# Altium PCB 10515.0461_全联供输出板_V1.1_20200827_1P.PcbDoc (part 4 of 4)
Units mm, origin at the board's own origin, x right, y up, seen from the top; angles counter-clockwise.
Board outline 141.98 x 134.8 mm, 2 copper layers (Top Layer, Bottom Layer); 162 components, 136 nets, 665 pads, 421 vias.
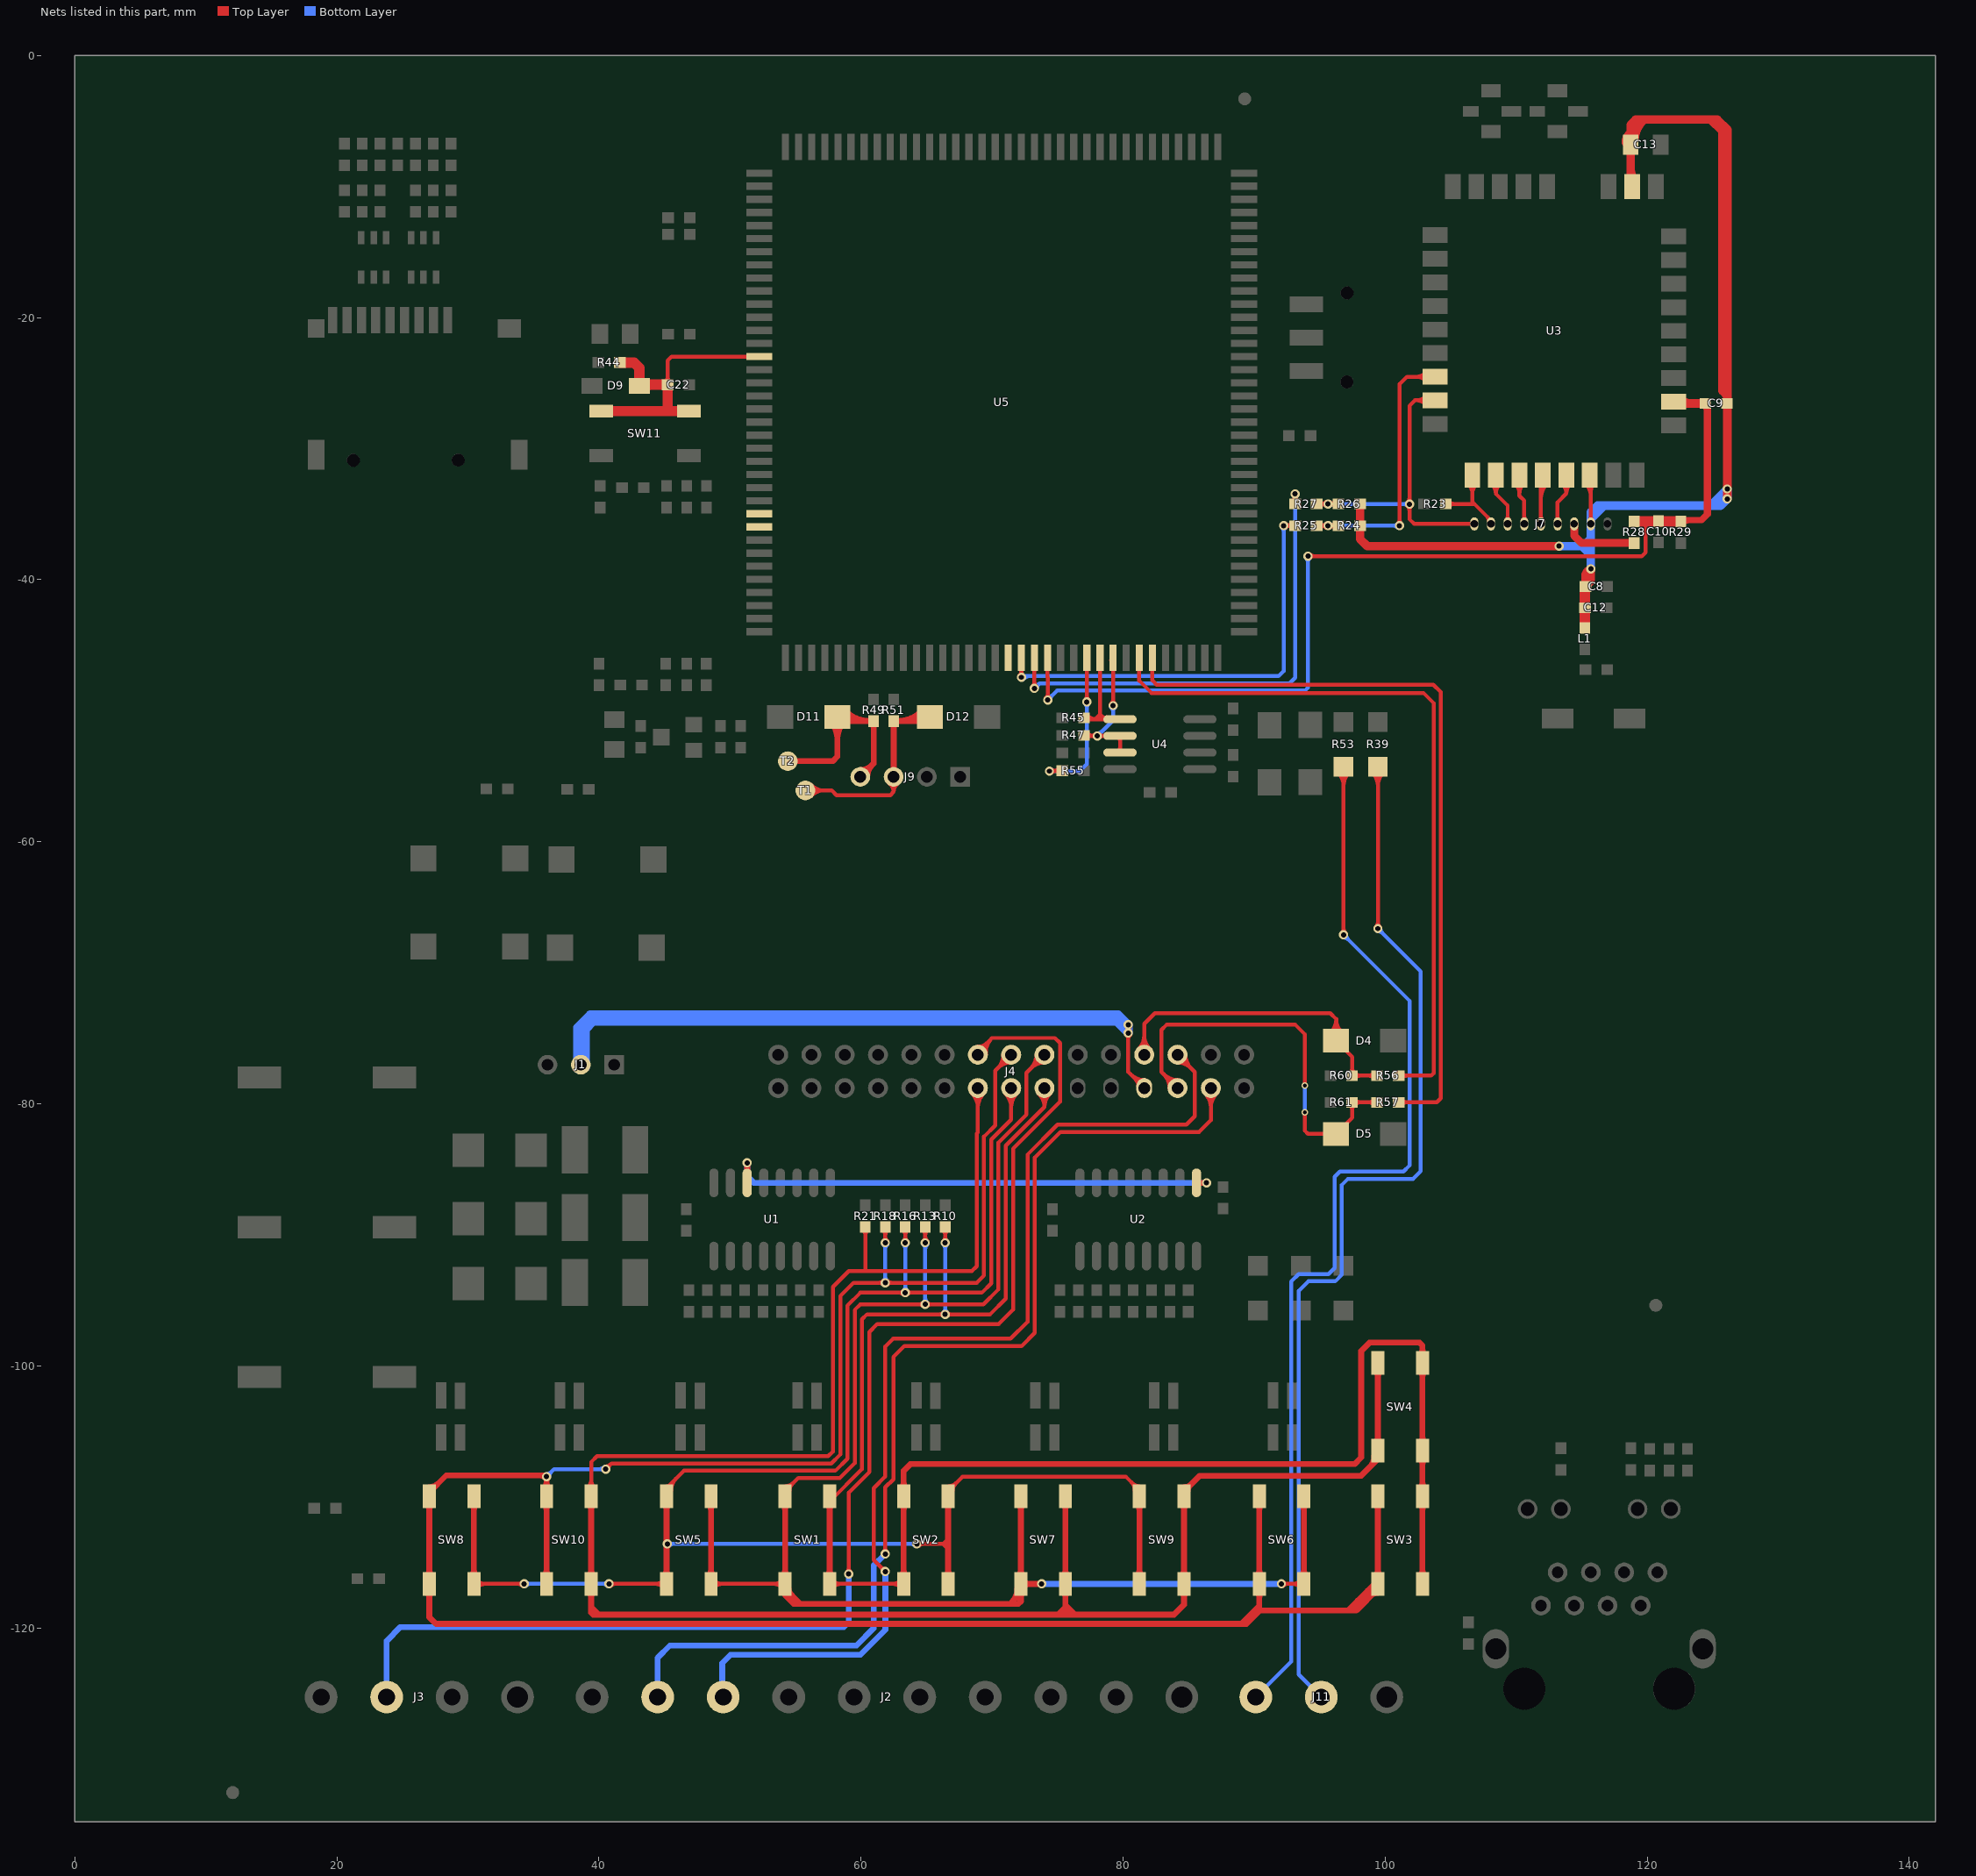
[diagram p4: the nets of this part, all layers, seen from the top]

## Via types
v1: diameter 0.7, hole 0.4, Top Layer to Bottom Layer, tented both sides, 417 vias
v2: diameter 0.5, hole 0.3, Top Layer to Bottom Layer, tented both sides, 4 vias

## Nets (pads, with @x,y where several pads share a name; then routed paths per layer and width w, separated by ;. In a path a pad name is that pad's centre, name@x,y a point inside that pad or via, vN(x,y) a via of type N, cw(c..) or ccw(c..) an arc to the next point about the centre after c; other vN are vias at no path point) (continued)
OUTPUT_VOULTAGE: J3.3 J4.14 | length 107.3
  Top Layer w0.3: v1@58.914,-115.736 ccw(c58.572,-115.394) 59.055,-115.394 ccw(c59.538,-115.394) v1@59.196,-115.736 ; v1(59.055,-115.877) 59.055,-109.675 60.625,-108.105 60.625,-97.416 61.222,-96.819 70.493,-96.819 71.596,-95.716 71.596,-83.418 75.184,-79.83 75.184,-75.364 74.795,-74.975 69.985,-74.975 ; J4.14@68.913,-76.253 68.913,-76.047 69.985,-74.975 ; J4.14@68.913,-75.641 ccw(c68.913,-74.661) 69.606,-75.354 ; J4.14@69.224,-76.231 cw(c70.239,-76.16) 69.52,-75.44 ; J4.14@69.523,-76.21 cw(c71.108,-76.099) 69.985,-74.975
  Bottom Layer w0.45: J3.3@23.789,-125.275 23.789,-120.991 24.845,-119.935 58.68,-119.935 59.055,-119.56 v1(59.055,-115.877)
"PROG EN": J7.8 R23.2 U3.18 | length 9.6
  Top Layer w0.3: R23.2@104.629,-34.216 106.807,-34.216 ; R23.2@104.848,-34.397 cw(c105.286,-34.835) 105.286,-34.216 cw(c105.286,-33.597) R23.2@104.848,-34.035 ; U3.18@106.335,-32.676 cw(c105.567,-33.444) 106.653,-33.444 cw(c107.739,-33.444) U3.18@106.971,-32.676 ; U3.18@106.653,-32.008 106.653,-34.062 106.807,-34.216 ; 107.783,-35.192 cw(c107.434,-35.54) J7.8@107.927,-35.54 ; J7.8@108.077,-35.74 108.077,-35.486 106.807,-34.216
"PROG RESET": J7.3 R28.1 | length 5.7
  Top Layer w0.6: J7.3@114.427,-35.74 114.427,-36.629 114.998,-37.2 R28.1@118.999,-37.2
RESET_KEY: C22.2 D9.2 R44.1 SW11.1 SW11.2 U5.15 | length 24.7
  Top Layer w0.3: C22.2@45.056,-24.941 ccw(c44.618,-24.503) 45.237,-24.503 ccw(c45.856,-24.503) C22.2@45.419,-24.941 ; C22.2@45.237,-25.122 45.237,-23.269 45.537,-22.969 U5.15@52.232,-22.969 ; U5.15@51.419,-23.057 ccw(c51.205,-23.271) 51.205,-22.969 ccw(c51.205,-22.667) U5.15@51.419,-22.881
  Top Layer w0.8: SW11.2@40.16,-27.131 SW11.1@46.86,-27.131 ; R44.1@41.592,-23.421 42.672,-23.421 43.075,-23.824 D9.2@43.075,-25.199 ; D9.2@43.152,-25.122 C22.2@45.237,-25.122 45.237,-26.979 ; D9.2@43.416,-25.34 cw(c43.944,-25.868) 43.944,-25.122
RS485_CTRL3: R47.1 U4.2 U4.3 U5.62 | length 17.7
  Top Layer w0.3: R47.1@77.013,-51.879 77.055,-51.922 U4.2@79.763,-51.922 U4.3@79.763,-53.192 ; R47.1@77.232,-52.061 cw(c77.567,-52.396) 77.567,-51.922 ; R47.1@77.232,-51.698 ccw(c77.772,-51.158) v1@77.772,-51.922 ; v1@77.887,-52.063 ccw(c77.546,-52.405) 77.546,-51.922 ccw(c77.546,-51.439) v1@77.887,-51.78 ; v1@78.17,-52.063 cw(c78.512,-52.405) 78.512,-51.922 cw(c78.512,-51.439) v1@78.17,-51.78 ; U4.2@78.688,-52.031 ccw(c78.424,-52.296) 78.424,-51.922 ccw(c78.424,-51.548) U4.2@78.688,-51.812 ; U5.62@79.07,-46.131 U5.62@79.232,-45.969 v1(79.232,-49.606) ; v1@79.091,-49.465 ccw(c78.749,-49.123) 79.232,-49.123 ccw(c79.715,-49.123) v1@79.373,-49.465 ; U5.62@79.144,-46.782 cw(c78.93,-46.996) 79.232,-46.996 cw(c79.534,-46.996) U5.62@79.32,-46.782 ; U4.3@79.653,-53.082 ccw(c79.389,-52.818) 79.763,-52.818 ccw(c80.137,-52.818) U4.3@79.872,-53.082 ; U4.2@79.653,-52.031 cw(c79.389,-52.296) 79.763,-52.296 cw(c80.137,-52.296) U4.2@79.872,-52.031
  Bottom Layer w0.3: v1(78.029,-51.922) 79.232,-50.719 v1(79.232,-49.606) ; v1@78.029,-51.722 ccw(c78.029,-51.239) 78.37,-51.58 ccw(c78.712,-51.922) v1@78.229,-51.922 ; v1@79.091,-49.748 cw(c78.749,-50.089) 79.232,-50.089 cw(c79.715,-50.089) v1@79.373,-49.748
RS485_CTRL4: U5.54
RS485A1: J11.3 R53.2 | length 85.9
  Top Layer w0.3: R53.2@96.401,-54.71 cw(c95.376,-55.734) 96.825,-55.734 cw(c98.273,-55.734) R53.2@97.249,-54.71 ; v1@96.683,-66.965 ccw(c96.342,-66.624) 96.825,-66.624 ccw(c97.308,-66.624) v1@96.966,-66.965 ; v1(96.825,-67.107) R53.2@96.825,-54.286
  Bottom Layer w0.3: J11.3@90.123,-125.275 92.832,-122.566 92.832,-93.553 93.395,-92.99 95.681,-92.99 96.139,-92.532 96.139,-85.573 96.545,-85.166 101.397,-85.166 101.854,-84.709 101.854,-72.923 101.854,-72.136 v1(96.825,-67.107) ; v1@96.825,-67.307 cw(c96.825,-67.79) 97.166,-67.448 cw(c97.508,-67.107) v1@97.025,-67.107
RS485A2: J2.9 J4.27 | length 86.8
  Top Layer w0.3: v1@61.708,-114.212 ccw(c61.366,-113.87) 61.849,-113.87 ccw(c62.332,-113.87) v1@61.99,-114.212 ; v1(61.849,-114.353) 61.849,-109.273 62.469,-108.653 62.469,-99.309 63.297,-98.481 72.26,-98.481 73.258,-97.483 73.258,-84.107 75.224,-82.141 85.806,-82.141 86.693,-81.254 J4.27@86.693,-78.793 ; J4.27@86.26,-79.226 cw(c85.215,-80.27) 86.693,-80.27 cw(c88.17,-80.27) J4.27@87.126,-79.226
  Bottom Layer w0.45: J2.9@44.476,-125.275 44.476,-122.275 45.408,-121.343 59.652,-121.343 60.96,-120.035 60.96,-115.242 v1(61.849,-114.353)
RS485B1: J11.2 R39.2 | length 84.8
  Top Layer w0.3: R39.2@99.017,-54.704 cw(c97.992,-55.728) 99.441,-55.728 cw(c100.89,-55.728) R39.2@99.865,-54.704 ; v1@99.3,-66.483 ccw(c98.958,-66.141) 99.441,-66.141 ccw(c99.924,-66.141) v1@99.582,-66.483 ; v1(99.441,-66.624) R39.2@99.441,-54.28
  Bottom Layer w0.3: J11.2@95.123,-125.275 93.396,-123.548 93.396,-94.285 94.137,-93.544 96.19,-93.544 96.693,-93.041 96.693,-86.187 97.16,-85.72 102.138,-85.72 102.718,-85.141 102.718,-69.901 v1(99.441,-66.624) ; v1@99.441,-66.824 cw(c99.441,-67.307) 99.782,-66.966 cw(c100.124,-66.624) v1@99.641,-66.624
RS485B2: J2.8 J4.26 | length 85.2
  Top Layer w0.3: v1@61.649,-115.697 ccw(c61.166,-115.697) 61.508,-115.356 ccw(c61.849,-115.014) v1@61.849,-115.497 ; v1(61.849,-115.697) 60.96,-114.808 60.96,-109.337 61.849,-108.448 61.849,-98.533 62.455,-97.927 71.417,-97.927 72.704,-96.64 72.704,-83.877 74.994,-81.587 84.836,-81.587 85.471,-80.952 85.471,-77.571 J4.26@84.153,-76.253 ; J4.26@84.153,-76.865 cw(c84.153,-78.343) 85.198,-77.298 cw(c86.242,-76.253) J4.26@84.765,-76.253
  Bottom Layer w0.45: J2.8@49.476,-125.275 49.403,-125.202 49.403,-122.682 50.038,-122.047 59.944,-122.047 61.849,-120.142 v1(61.849,-115.697)
RSDADIO3: J7.4 U3.22 | length 6.2
  Top Layer w0.3: J7.4@113.051,-35.434 ccw(c112.795,-35.178) 113.157,-35.178 ccw(c113.519,-35.178) J7.4@113.263,-35.434 ; J7.4@113.157,-35.74 113.157,-34.089 113.824,-33.422 ; U3.22@113.511,-32.681 cw(c112.793,-33.422) 113.824,-33.422 ; U3.22@113.824,-32.008 113.824,-33.422 ; U3.22@114.138,-32.681 ccw(c114.856,-33.422) 113.824,-33.422
RXD4: D4.1 J4.24 R56.2 R60.1 | length 33.5
  Top Layer w0.3: J4.24@81.18,-75.82 ccw(c80.135,-74.775) 81.613,-74.775 ccw(c83.09,-74.775) J4.24@82.046,-75.82 ; J4.24@81.613,-76.253 81.613,-73.888 82.423,-73.078 95.811,-73.078 96.266,-73.533 ; D4.1@95.762,-74.607 ccw(c94.87,-73.533) 96.266,-73.533 ; D4.1@95.954,-74.838 ccw(c95.401,-74.172) 96.266,-74.172 ; 96.266,-74.216 ccw(c97.13,-74.216) D4.1@96.545,-74.853 ; D4.1@96.748,-74.632 cw(c97.758,-73.533) 96.266,-73.533 ; R60.1@97.291,-77.67 ccw(c96.853,-77.232) 97.473,-77.232 ccw(c98.092,-77.232) R60.1@97.654,-77.67 ; R60.1@97.692,-78.032 cw(c98.13,-78.47) 98.13,-77.851 cw(c98.13,-77.232) R60.1@97.692,-77.67 ; R56.2@99.158,-78.032 ccw(c98.72,-78.47) 98.72,-77.851 ccw(c98.72,-77.232) R56.2@99.158,-77.67 ; R56.2@99.377,-77.851 R60.1@97.472,-77.851 97.472,-76.416 D4.1@96.241,-75.184 96.266,-75.159 96.266,-73.533
SCLKDIO1: J7.6 U3.20 | length 6.2
  Top Layer w0.3: U3.20@109.921,-32.676 cw(c109.152,-33.444) 110.239,-33.444 cw(c111.325,-33.444) U3.20@110.557,-32.676 ; U3.20@110.239,-32.008 110.239,-33.584 110.617,-33.962 J7.6@110.617,-35.74 ; J7.6@110.511,-35.434 ccw(c110.255,-35.178) 110.617,-35.178 ccw(c110.979,-35.178) J7.6@110.723,-35.434
SCSEDIO0: J7.7 U3.19 | length 6.4
  Top Layer w0.3: U3.19@108.128,-32.677 cw(c107.366,-33.442) 108.446,-33.442 ; U3.19@108.446,-32.008 108.446,-33.442 ; U3.19@108.764,-32.677 ccw(c109.526,-33.442) 108.446,-33.442 ; J7.7@109.241,-35.434 ccw(c108.985,-35.178) 109.347,-35.178 ccw(c109.709,-35.178) J7.7@109.453,-35.434 ; J7.7@109.347,-35.74 109.347,-34.343 108.446,-33.442
SER_OUT: U1.14 U2.9 | length 38.6
  Top Layer w0.45: U1.14@51.308,-86.032 v1(51.308,-84.508) ; U2.9@85.598,-86.032 v1(86.36,-86.032)
  Bottom Layer w0.45: v1(51.308,-84.508) 51.308,-85.524 51.816,-86.032 v1(86.36,-86.032)
SW1: J4.17 R10.1 SW1.1 SW1.2 SW2.1 SW2.2 SW3.1 SW3.2 SW4.1 SW4.2 | length 160.9
  Top Layer w0.3: SW1.1@57.599,-116.636 SW2.2@63.248,-116.636 SW2.2@63.248,-117.149 ; SW1.2@57.599,-110.348 60.071,-107.876 60.071,-96.446 60.452,-96.065 69.85,-96.065 71.042,-94.873 71.042,-83.189 73.993,-80.238 ; SW1.1@57.847,-116.884 cw(c58.444,-117.481) 58.444,-116.636 cw(c58.444,-115.791) SW1.1@57.847,-116.389 ; SW2.2@63,-116.884 ccw(c62.403,-117.481) 62.403,-116.636 ccw(c62.403,-115.791) SW2.2@63,-116.389 ; SW2.1@63.248,-109.936 SW2.1@63.248,-109.529 ; R10.1@66.24,-89.617 cw(c65.802,-90.055) 66.421,-90.055 cw(c67.04,-90.055) R10.1@66.602,-89.617 ; v1@66.28,-96.206 ccw(c65.938,-96.548) 65.938,-96.065 ccw(c65.938,-95.582) v1@66.28,-95.924 ; v1@66.28,-90.463 ccw(c65.938,-90.121) 66.421,-90.121 ccw(c66.904,-90.121) v1@66.562,-90.463 ; v1(66.421,-90.604) R10.1@66.421,-89.397 ; v1@66.562,-96.206 cw(c66.904,-96.548) 66.904,-96.065 cw(c66.904,-95.582) v1@66.562,-95.924 ; J4.17@73.567,-79.233 cw(c72.593,-80.238) 73.993,-80.238 ; J4.17@73.993,-78.793 73.993,-80.238 ; J4.17@74.419,-79.233 ccw(c75.393,-80.238) 73.993,-80.238
  Top Layer w0.45: SW1.1@57.405,-116.042 ccw(c56.935,-115.572) 57.599,-115.572 ccw(c58.263,-115.572) SW1.1@57.794,-116.042 ; SW1.2@57.405,-110.531 cw(c56.935,-111) 57.599,-111 cw(c58.263,-111) SW1.2@57.794,-110.531 ; SW1.1@57.599,-116.636 SW1.2@57.599,-110.348 ; SW2.2@63.053,-116.042 ccw(c62.584,-115.572) 63.248,-115.572 ccw(c63.912,-115.572) SW2.2@63.442,-116.042 ; SW2.1@63.053,-110.531 cw(c62.584,-111) 63.248,-111 cw(c63.912,-111) SW2.1@63.442,-110.531 ; SW2.1@63.053,-109.342 ccw(c62.584,-108.872) 63.248,-108.872 ccw(c63.912,-108.872) SW2.1@63.442,-109.342 ; SW2.2@63.248,-116.636 SW2.1@63.248,-109.936 63.248,-108.001 63.754,-107.495 97.663,-107.495 98.171,-106.987 98.171,-98.859 98.806,-98.224 102.616,-98.224 102.843,-98.451 SW4.2@102.843,-99.776 SW4.1@102.843,-106.476 SW3.2@102.843,-109.936 SW3.1@102.843,-116.636 ; SW3.1@102.648,-116.042 ccw(c102.179,-115.572) 102.843,-115.572 ccw(c103.507,-115.572) SW3.1@103.037,-116.042 ; SW3.2@102.648,-110.531 cw(c102.179,-111) 102.843,-111 cw(c103.507,-111) SW3.2@103.037,-110.531 ; SW3.2@102.648,-109.342 ccw(c102.179,-108.872) 102.843,-108.872 ccw(c103.507,-108.872) SW3.2@103.037,-109.342 ; SW4.1@102.648,-107.071 cw(c102.179,-107.54) 102.843,-107.54 cw(c103.507,-107.54) SW4.1@103.037,-107.071 ; SW4.1@102.648,-105.882 ccw(c102.179,-105.412) 102.843,-105.412 ccw(c103.507,-105.412) SW4.1@103.037,-105.882 ; SW4.2@102.648,-100.371 cw(c102.179,-100.84) 102.843,-100.84 cw(c103.507,-100.84) SW4.2@103.037,-100.371 ; SW4.2@102.648,-99.182 ccw(c102.179,-98.712) 102.843,-98.712 ccw(c103.507,-98.712) SW4.2@103.037,-99.182
  Bottom Layer w0.3: v1@66.28,-95.924 ccw(c65.938,-95.582) 66.421,-95.582 ccw(c66.904,-95.582) v1@66.562,-95.924 ; v1@66.28,-90.745 cw(c65.938,-91.087) 66.421,-91.087 cw(c66.904,-91.087) v1@66.562,-90.745 ; v1(66.421,-96.065) v1(66.421,-90.604)
SW2: J4.18 R13.1 SW1.3 SW1.4 SW5.1 SW5.2 SW6.1 SW6.2 SW7.1 SW7.2 | length 158.5
  Top Layer w0.3: SW5.1@48.55,-116.636 SW1.4@54.199,-116.636 ; SW5.1@48.798,-116.884 cw(c49.395,-117.481) 49.395,-116.636 cw(c49.395,-115.791) SW5.1@48.798,-116.389 ; SW1.4@53.952,-116.884 ccw(c53.354,-117.481) 53.354,-116.636 ccw(c53.354,-115.791) SW1.4@53.952,-116.389 ; SW1.3@54.199,-109.936 54.199,-109.557 55.199,-108.557 58.374,-108.557 59.517,-107.414 59.517,-95.73 59.944,-95.303 63.627,-95.303 69.342,-95.303 70.488,-94.157 70.488,-82.96 72.619,-80.829 72.619,-77.627 J4.18@73.993,-76.253 ; SW1.3@54.199,-109.186 ccw(c54.199,-108.291) 54.832,-108.924 ; SW1.3@54.549,-109.536 cw(c55.344,-109.536) 54.782,-108.974 ; R13.1@64.716,-89.617 cw(c64.278,-90.055) 64.897,-90.055 cw(c65.516,-90.055) R13.1@65.078,-89.617 ; v1@64.756,-95.444 ccw(c64.414,-95.786) 64.414,-95.303 ccw(c64.414,-94.82) v1@64.756,-95.162 ; v1@64.756,-90.463 ccw(c64.414,-90.121) 64.897,-90.121 ccw(c65.38,-90.121) v1@65.038,-90.463 ; v1(64.897,-90.604) R13.1@64.897,-89.397 ; v1@65.038,-95.444 cw(c65.38,-95.786) 65.38,-95.303 cw(c65.38,-94.82) v1@65.038,-95.162 ; J4.18@73.381,-76.253 cw(c71.903,-76.253) 72.948,-77.298 cw(c73.993,-78.343) J4.18@73.993,-76.865 ; v1(92.078,-116.636) SW6.1@93.794,-116.636 ; v1@92.219,-116.778 cw(c92.561,-117.119) 92.561,-116.636 cw(c92.561,-116.153) v1@92.219,-116.495 ; SW6.1@93.547,-116.884 ccw(c92.949,-117.481) 92.949,-116.636 ccw(c92.949,-115.791) SW6.1@93.547,-116.389
  Top Layer w0.45: SW5.1@48.356,-116.042 ccw(c47.886,-115.572) 48.55,-115.572 ccw(c49.214,-115.572) SW5.1@48.745,-116.042 ; SW5.2@48.356,-110.531 cw(c47.886,-111) 48.55,-111 cw(c49.214,-111) SW5.2@48.745,-110.531 ; SW5.1@48.55,-116.636 SW5.2@48.55,-109.936 ; SW1.4@54.005,-116.042 ccw(c53.535,-115.572) 54.199,-115.572 ccw(c54.863,-115.572) SW1.4@54.394,-116.042 ; SW1.3@54.005,-110.531 cw(c53.535,-111) 54.199,-111 cw(c54.863,-111) SW1.3@54.394,-110.531 ; SW1.4@54.199,-117.498 54.864,-118.163 55.372,-118.163 ; SW1.4@54.199,-117.311 cw(c54.199,-118.087) 54.747,-117.538 ; SW1.3@54.199,-109.936 SW1.4@54.199,-116.636 54.199,-116.99 55.372,-118.163 ; SW1.4@54.457,-117.131 ccw(c55.171,-117.394) 54.633,-117.932 ; SW1.4@54.474,-117.036 ccw(c55.027,-117.036) SW1.4@54.636,-117.427 ; 71.527,-118.01 ccw(c70.578,-117.061) SW7.2@71.92,-117.04 ; SW7.2@72,-117.231 cw(c71.531,-117.7) 72.195,-117.7 cw(c72.859,-117.7) SW7.2@72.389,-117.231 ; SW7.2@72,-116.042 ccw(c71.531,-115.572) 72.195,-115.572 ccw(c72.859,-115.572) SW7.2@72.389,-116.042 ; SW7.1@72,-110.531 cw(c71.531,-111) 72.195,-111 cw(c72.859,-111) SW7.1@72.389,-110.531 ; SW7.2@72.136,-117.401 71.374,-118.163 ; SW7.1@72.195,-109.936 SW7.2@72.195,-116.636 ; SW7.2@72.389,-116.831 cw(c72.859,-117.3) 72.859,-116.636 cw(c72.859,-115.972) SW7.2@72.389,-116.442 ; v1(73.784,-116.636) SW7.2@72.195,-116.636 ; SW6.1@93.6,-116.042 ccw(c93.13,-115.572) 93.794,-115.572 ccw(c94.458,-115.572) SW6.1@93.989,-116.042 ; SW6.2@93.6,-110.531 cw(c93.13,-111) 93.794,-111 cw(c94.458,-111) SW6.2@93.989,-110.531 ; SW6.1@93.794,-116.636 SW6.2@93.794,-109.936 ; 55.372,-118.163 71.374,-118.163 ; 71.374,-118.163 72.009,-118.163 72.195,-117.977 SW7.2@72.195,-116.636
  Bottom Layer w0.3: v1@64.756,-95.162 ccw(c64.414,-94.82) 64.897,-94.82 ccw(c65.38,-94.82) v1@65.038,-95.162 ; v1@64.756,-90.745 cw(c64.414,-91.087) 64.897,-91.087 cw(c65.38,-91.087) v1@65.038,-90.745 ; v1(64.897,-95.303) v1(64.897,-90.604)
  Bottom Layer w0.45: v1(73.784,-116.636) v1(92.078,-116.636)
SW3: J4.15 R16.1 SW2.3 SW2.4 SW5.3 SW5.4 SW8.1 SW8.2 SW9.1 SW9.2 | length 167.8
  Top Layer w0.3: SW8.1@30.453,-116.636 v1(34.29,-116.636) ; SW8.1@30.7,-116.884 cw(c31.298,-117.481) 31.298,-116.636 cw(c31.298,-115.791) SW8.1@30.7,-116.389 ; v1@34.149,-116.778 ccw(c33.807,-117.119) 33.807,-116.636 ccw(c33.807,-116.153) v1@34.149,-116.495 ; v1(40.767,-116.636) SW5.4@45.15,-116.636 ; v1@40.908,-116.778 cw(c41.25,-117.119) 41.25,-116.636 cw(c41.25,-116.153) v1@40.908,-116.495 ; SW5.4@44.903,-116.884 ccw(c44.305,-117.481) 44.305,-116.636 ccw(c44.305,-115.791) SW5.4@44.903,-116.389 ; SW5.3@45.15,-109.335 46.482,-108.003 58.039,-108.003 58.963,-107.079 58.963,-95.395 59.944,-94.414 69.215,-94.414 69.934,-93.695 69.934,-82.73 71.453,-81.211 J4.15@71.453,-78.793 ; SW5.3@45.15,-109.186 ccw(c45.15,-108.828) SW5.3@45.404,-109.081 ; SW5.3@45.5,-109.536 cw(c46.832,-109.536) 45.89,-108.595 ; R16.1@63.192,-89.617 cw(c62.754,-90.055) 63.373,-90.055 cw(c63.992,-90.055) R16.1@63.554,-89.617 ; v1@63.232,-94.555 ccw(c62.89,-94.897) 62.89,-94.414 ccw(c62.89,-93.931) v1@63.232,-94.273 ; v1@63.232,-90.463 ccw(c62.89,-90.121) 63.373,-90.121 ccw(c63.856,-90.121) v1@63.514,-90.463 ; v1(63.373,-90.604) R16.1@63.373,-89.397 ; v1@63.514,-94.555 cw(c63.856,-94.897) 63.856,-94.414 cw(c63.856,-93.931) v1@63.514,-94.273 ; v1(64.262,-113.591) 66.167,-113.591 ; v1@64.403,-113.732 cw(c64.745,-114.074) 64.745,-113.591 cw(c64.745,-113.108) v1@64.403,-113.45 ; 66.648,-113.972 66.267,-113.591 ; 66.648,-113.591 66.167,-113.591 ; 66.648,-113.21 66.267,-113.591 ; SW2.4@66.648,-109.936 66.648,-109.554 67.727,-108.475 80.228,-108.475 81.244,-109.491 SW9.1@81.244,-109.936 ; SW2.4@66.648,-109.186 ccw(c66.648,-108.298) 67.276,-108.926 ; SW2.4@66.998,-109.536 cw(c67.799,-109.536) 67.233,-108.969 ; J4.15@71.02,-79.226 cw(c69.975,-80.27) 71.453,-80.27 cw(c72.93,-80.27) J4.15@71.886,-79.226 ; 80.614,-108.861 cw(c79.939,-109.536) SW9.1@80.894,-109.536 ; 80.724,-108.971 ccw(c81.244,-108.451) SW9.1@81.244,-109.186 ; 66.167,-113.591 66.267,-113.591
  Top Layer w0.45: SW8.1@30.258,-116.042 ccw(c29.789,-115.572) 30.453,-115.572 ccw(c31.117,-115.572) SW8.1@30.647,-116.042 ; SW8.2@30.258,-110.531 cw(c29.789,-111) 30.453,-111 cw(c31.117,-111) SW8.2@30.647,-110.531 ; SW8.1@30.453,-116.636 SW8.2@30.453,-109.936 ; SW5.4@44.956,-116.042 ccw(c44.486,-115.572) 45.15,-115.572 ccw(c45.814,-115.572) SW5.4@45.345,-116.042 ; SW5.3@44.956,-110.531 cw(c44.486,-111) 45.15,-111 cw(c45.814,-111) SW5.3@45.345,-110.531 ; SW5.4@45.15,-116.636 SW5.3@45.15,-109.936 SW5.3@45.15,-109.335 ; 45.15,-114.042 cw(c45.663,-114.042) v1@45.3,-113.679 ; 45.15,-113.14 ccw(c45.663,-113.14) v1@45.3,-113.503 ; SW2.3@66.453,-116.042 ccw(c65.984,-115.572) 66.648,-115.572 ccw(c67.312,-115.572) SW2.3@66.842,-116.042 ; SW2.4@66.453,-110.531 cw(c65.984,-111) 66.648,-111 cw(c67.312,-111) SW2.4@66.842,-110.531 ; SW2.3@66.648,-116.636 66.648,-114.607 SW2.4@66.648,-109.936 ; SW9.2@81.049,-116.042 ccw(c80.58,-115.572) 81.244,-115.572 ccw(c81.908,-115.572) SW9.2@81.438,-116.042 ; SW9.1@81.049,-110.531 cw(c80.58,-111) 81.244,-111 cw(c81.908,-111) SW9.1@81.438,-110.531 ; SW9.2@81.244,-116.636 SW9.1@81.244,-109.936
  Bottom Layer w0.3: v1(34.29,-116.636) v1(40.767,-116.636) ; v1@34.431,-116.778 cw(c34.773,-117.119) 34.773,-116.636 cw(c34.773,-116.153) v1@34.431,-116.495 ; v1@40.626,-116.778 ccw(c40.284,-117.119) 40.284,-116.636 ccw(c40.284,-116.153) v1@40.626,-116.495 ; v1(45.212,-113.591) v1(64.262,-113.591) ; v1@45.353,-113.732 cw(c45.695,-114.074) 45.695,-113.591 cw(c45.695,-113.108) v1@45.353,-113.45 ; v1@63.232,-94.273 ccw(c62.89,-93.931) 63.373,-93.931 ccw(c63.856,-93.931) v1@63.514,-94.273 ; v1@63.232,-90.745 cw(c62.89,-91.087) 63.373,-91.087 cw(c63.856,-91.087) v1@63.514,-90.745 ; v1(63.373,-94.414) v1(63.373,-90.604) ; v1@64.121,-113.732 ccw(c63.779,-114.074) 63.779,-113.591 ccw(c63.779,-113.108) v1@64.121,-113.45
SW4: J4.16 R18.1 SW3.3 SW3.4 SW6.3 SW6.4 SW8.3 SW8.4 SW10.1 SW10.2 | length 215.8
  Top Layer w0.3: v1(40.513,-107.876) 40.94,-107.449 57.725,-107.449 58.409,-106.765 58.409,-94.679 59.436,-93.652 68.834,-93.652 69.38,-93.106 69.38,-82.501 70.231,-81.65 70.231,-77.475 J4.16@71.453,-76.253 ; v1@40.513,-107.676 ccw(c40.513,-107.193) 40.854,-107.535 ccw(c41.196,-107.876) v1@40.713,-107.876 ; R18.1@61.668,-89.617 cw(c61.23,-90.055) 61.849,-90.055 cw(c62.468,-90.055) R18.1@62.03,-89.617 ; v1@61.708,-93.793 ccw(c61.366,-94.135) 61.366,-93.652 ccw(c61.366,-93.169) v1@61.708,-93.511 ; v1@61.708,-90.463 ccw(c61.366,-90.121) 61.849,-90.121 ccw(c62.332,-90.121) v1@61.99,-90.463 ; v1(61.849,-90.604) R18.1@61.849,-89.397 ; v1@61.99,-93.793 cw(c62.332,-94.135) 62.332,-93.652 cw(c62.332,-93.169) v1@61.99,-93.511 ; J4.16@70.841,-76.253 cw(c69.363,-76.253) 70.408,-77.298 cw(c71.453,-78.343) J4.16@71.453,-76.865